# Altium PCB Copy of RaspberryHatBoard1.PcbDoc (part 1 of 3)
Units mm, origin at the board's own origin, x right, y up, seen from the top; angles counter-clockwise.
Board outline 65 x 56 mm, 2 copper layers (Top Layer, Bottom Layer); 197 components, 133 nets, 606 pads, 241 vias.
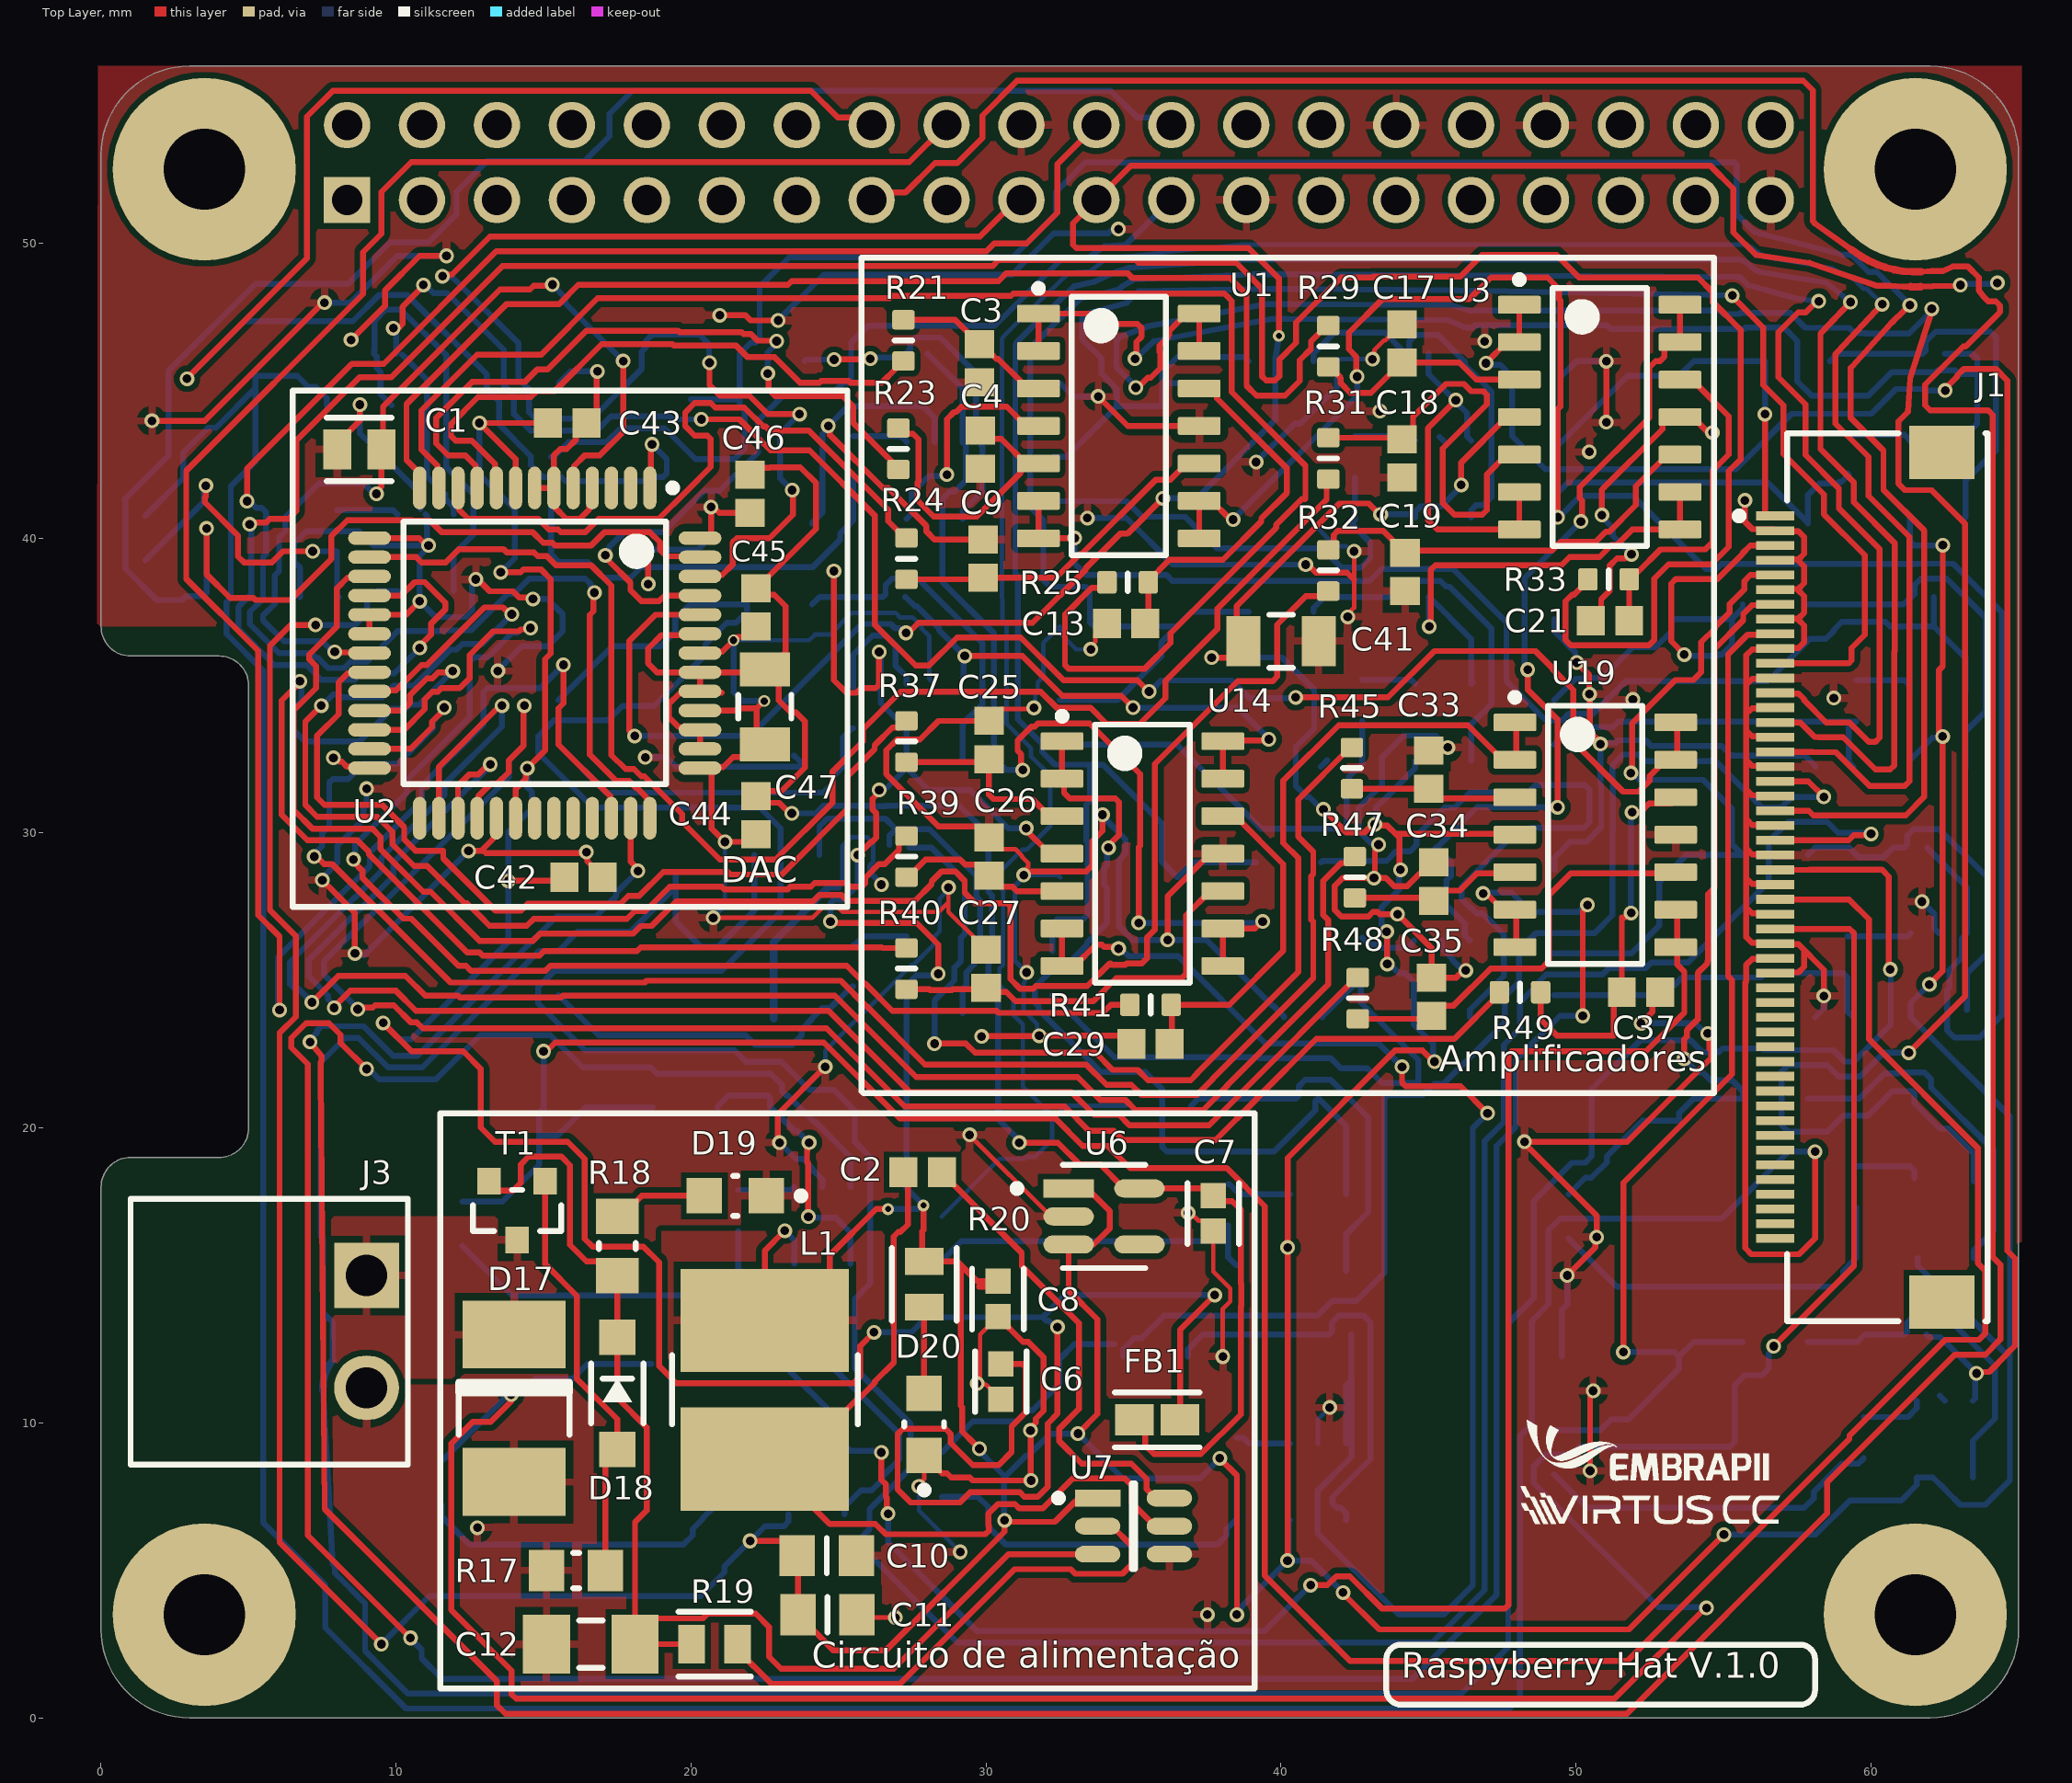
[diagram p0: Top Layer view]
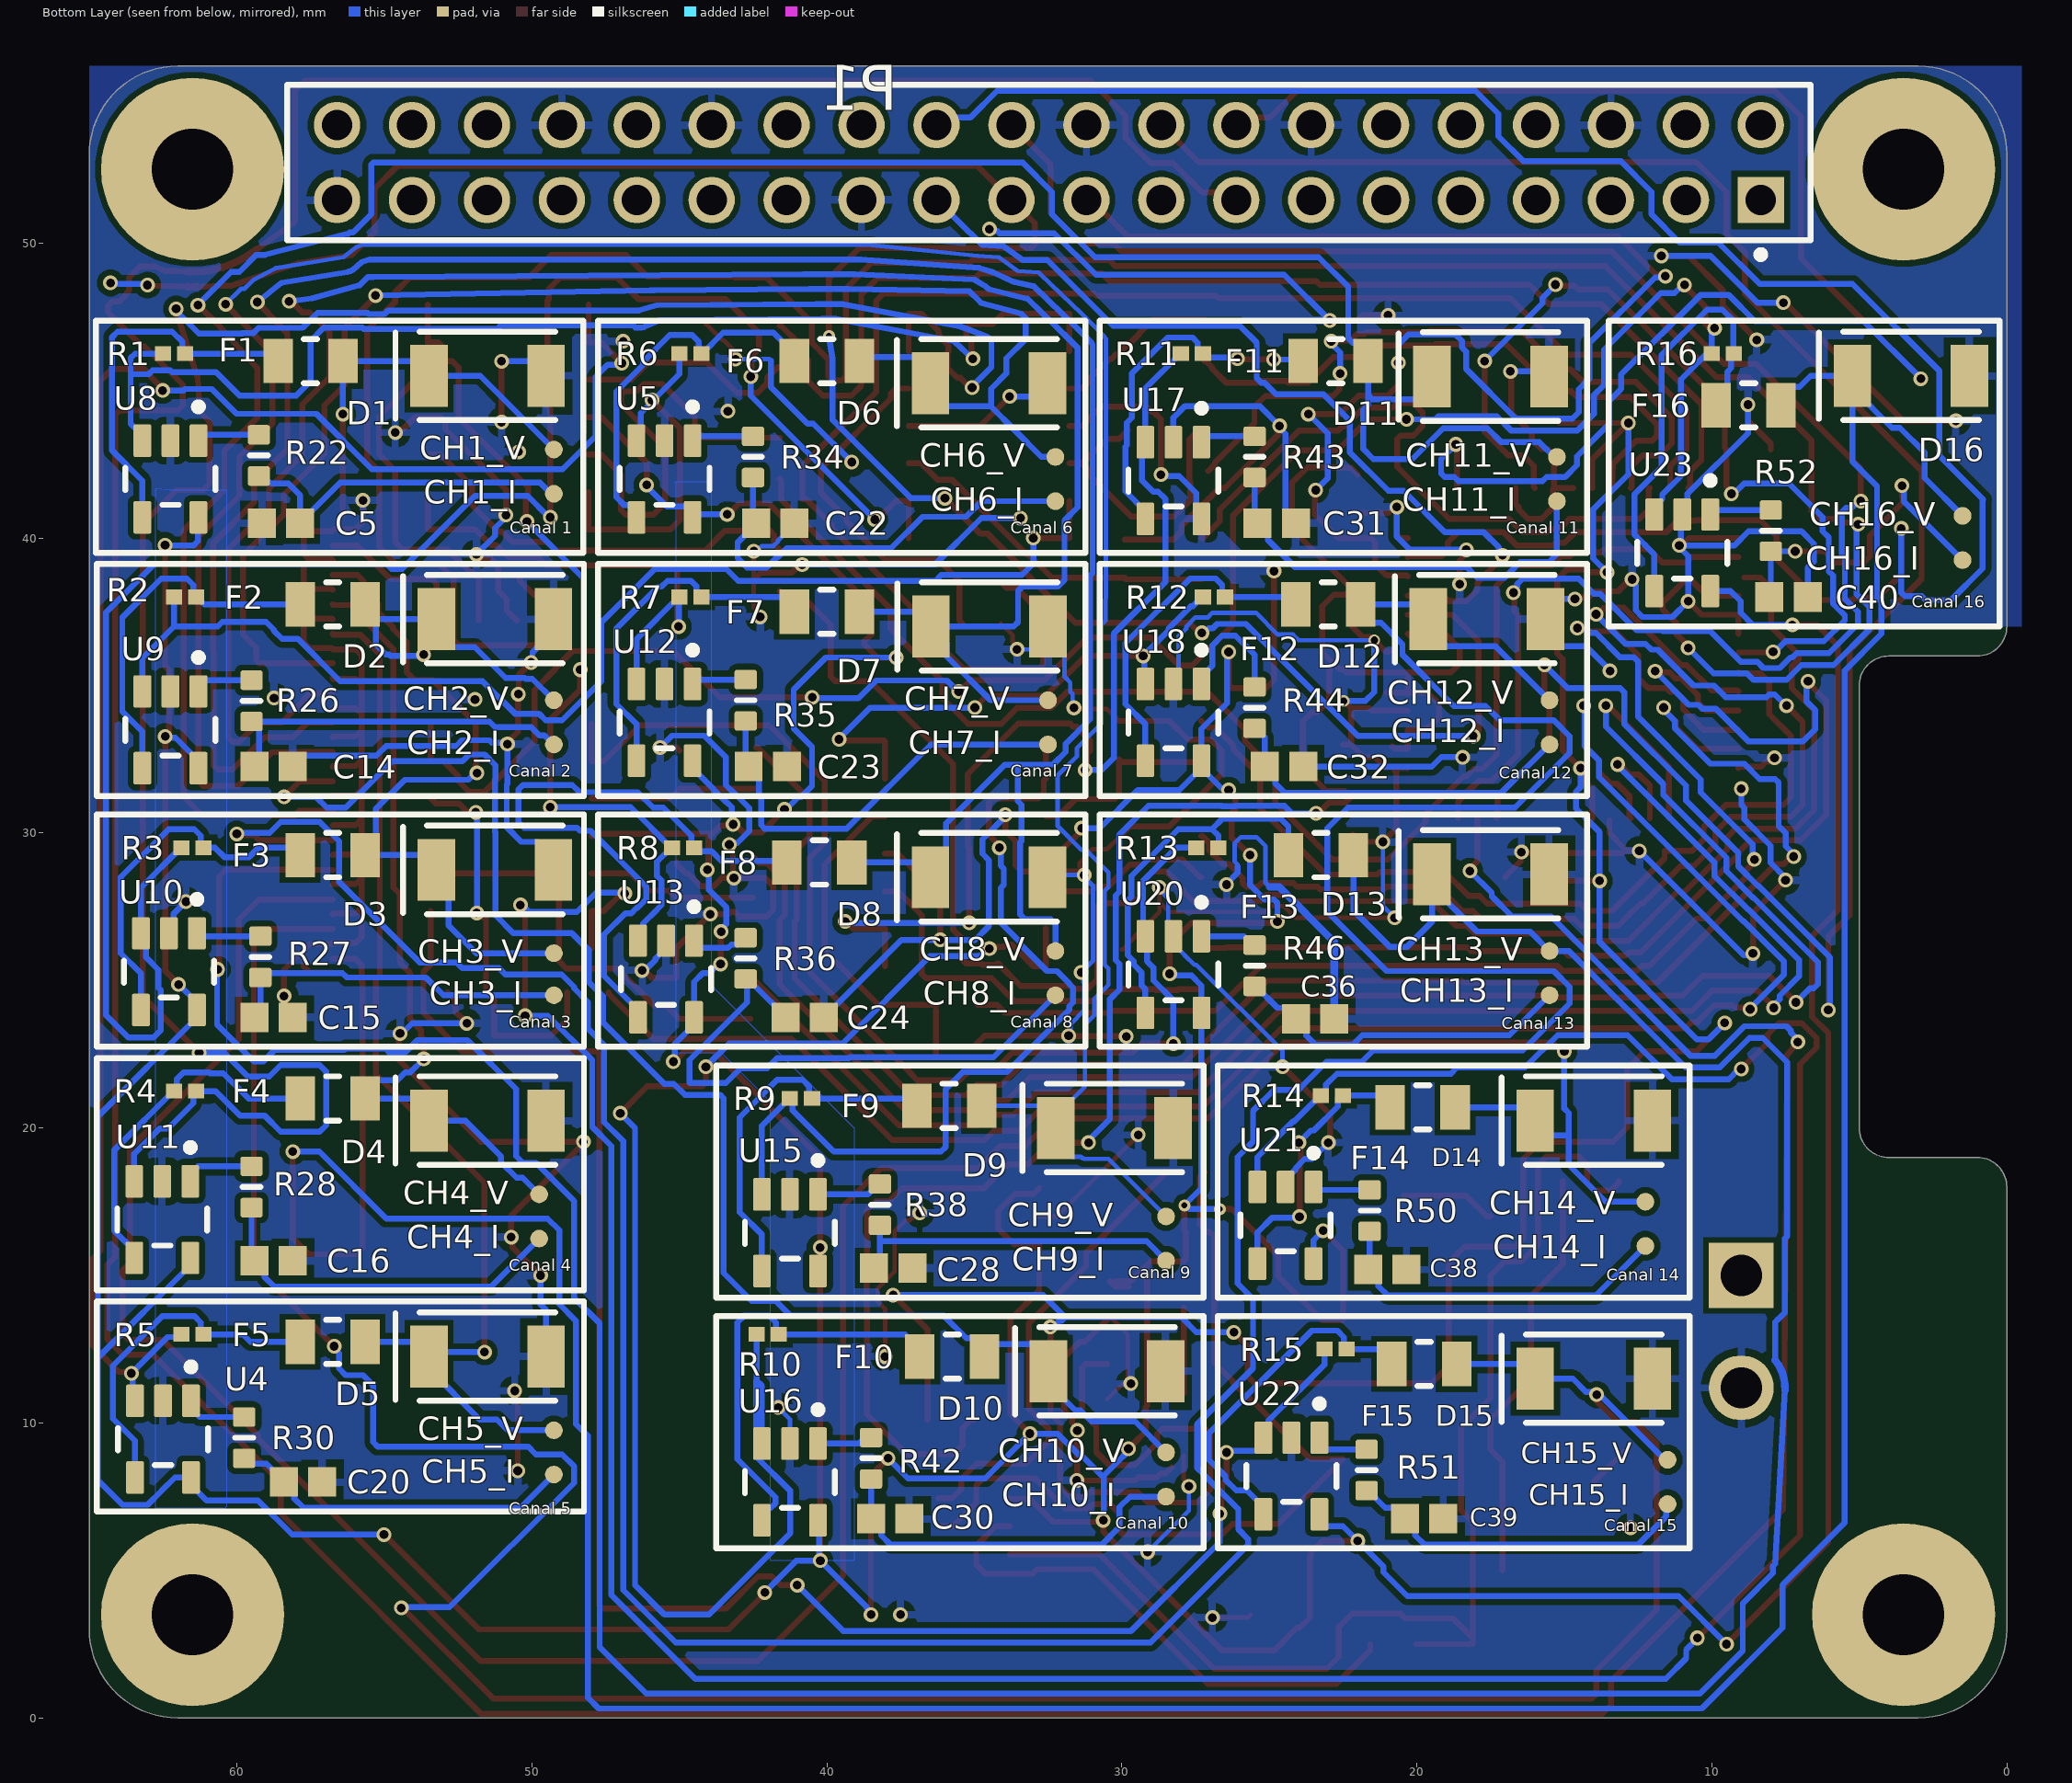
[diagram p1: Bottom Layer view, seen from below]

## Layer stack, top to bottom
Top Solder: solder mask 0.0102, Solder Resist, Dk 3.5
Top Layer: signal copper 0.0356
Dielectric 1: dielectric 0.32, FR-4, Dk 4.8
Bottom Layer: signal copper 0.0356
Bottom Solder: solder mask 0.0102, Solder Resist, Dk 3.5

## Board outline
0,3 0,18 cw(c1,18) 1,19 4,19 ccw(c4,20) 5,20 5,35 ccw(c4,35) 4,36 1,36 cw(c1,37) 0,37 0,53 cw(c3,53) 3,56 62,56 cw(c62,53) 65,53 65,3 cw(c62,3) 62,0 3,0 cw(c3,3)

## Design rules (kind name [scope] priority, off if disabled: settings)
Clearance [All] p1: gap=0.2 ignorepadtopadclearanceinfootprint=TRUE
ComponentClearance [All] p1: gap=0.2 collisioncheckmode=3 verticalgap=0.2 showdistances=FALSE
DiffPairsRouting [All] p1: maxlimit=0.5 minlimit=0.1 mostfreqgap=0.254 toplayer_minwidth=0.381 toplayer_maxwidth=0.381 toplayer_prefwidth=0.381 bottomlayer_minwidth=0.381 bottomlayer_maxwidth=0.381 bottomlayer_prefwidth=0.381 maxuncoupledlength=12.7
HoleSize [All] p1: absolutevalues=TRUE maxlimit=3 minlimit=0.025 maxpercent=80.000 minpercent=20.000
HoleToHoleClearance [All] p1: gap=0.2 allowstackedmicrovias=TRUE
PolygonConnect [All] p1: connectstyle=Relief reliefconductorwidth=0.254 reliefentries=4 polygonreliefangle="90 Angle" airgapwidth=0.254
RoutingVias [All] p1: holewidth=0.711 width=1.27 viastyle="Through Hole" minholewidth=0.711 minwidth=1.27 maxholewidth=0.711 maxwidth=1.27
SilkToSilkClearance [All] p1: silktosilkclearance=0.2
SilkToSolderMaskClearance [IsPad] p1: minsilkscreentomaskgap=0.2 clearancetoexposedcopper=TRUE
SolderMaskExpansion [All] p1: expansion=0.102 istentingtop=FALSE
SupplyNets "Schematic Supply Nets_4" [InNet('GND')] p1: voltage=0.000
SupplyNets "Schematic Supply Nets_3" [InNet('+5V_Ext')] p2: voltage=0.000
SupplyNets "Schematic Supply Nets_2" [InNet('VCC')] p3: voltage=0.000
SupplyNets "Schematic Supply Nets_1" [InNet('+3.3V_Ext')] p4: voltage=0.000
SupplyNets "Schematic Supply Nets" [InNet('+3.3V_Analog')] p5: voltage=0.000
Width [All] p1: maxlimit=0.5 minlimit=0.15 preferedwidth=0.2 minimp=50.000000 maximp=50.000000 favimp=50.000000
23 further rules are at their usual default settings.

## Classes and differential pairs
component class Main: C1 P1 U2
component class fonte: C2 C6 C7 C8 C10 C11 C12 D17 D18 D19 D20 FB1 J2 J3 L1 R17 R18 R19 R20 T1 U6 U7
component class Capacitores: C41 C42 C43 C44 C45 C46 C47
component class Amp_op4: C33 C34 C35 C36 C37 C38 C39 C40 CH13_I CH13_V CH14_I CH14_V CH15_I CH15_V CH16_I CH16_V D13 D14 D15 D16 F13 F14 F15 F16 R13 R14 R15 R16 R45 R46 R47 R48 R49 R50 R51 R52 U19 U20 U21 U22 U23
component class Amp_op3: C25 C26 C27 C28 C29 C30 C31 C32 CH9_I CH9_V CH10_I CH10_V CH11_I CH11_V CH12_I CH12_V D9 D10 D11 D12 F9 F10 F11 F12 R9 R10 R11 R12 R37 R38 R39 R40 R41 R42 R43 R44 U14 U15 U16 U17 U18
component class Amp_op2: C17 C18 C19 C20 C21 C22 C23 C24 CH5_I CH5_V CH6_I CH6_V CH7_I CH7_V CH8_I CH8_V D5 D6 D7 D8 F5 F6 F7 F8 R5 R6 R7 R8 R29 R30 R31 R32 R33 R34 R35 R36 U3 U4 U5 U12 U13
component class Amp_op1: C3 C4 C5 C9 C13 C14 C15 C16 CH1_I CH1_V CH2_I CH2_V CH3_I CH3_V CH4_I CH4_V D1 D2 D3 D4 F1 F2 F3 F4 R1 R2 R3 R4 R21 R22 R23 R24 R25 R26 R27 R28 U1 U8 U9 U10 U11

## Components (designator, comment, footprint, x,y, rotation, side; value= is the part's Value field where it differs from the comment)
C1 "C0805C104K5RACTU" FP-C0805C-DN-MFG 8.75,43 r0 top value="0.10 μF"
C2 "VJ0603Y104MXJCW1BC" CAPC1608X95X40NL15T15 27.85,18.5 r180 top
C3 "VJ0603Y104MXJCW1BC" CAPC1608X95X40NL15T15 29.775,45.925 r270 top
C4 "VJ0603Y104MXJCW1BC" CAPC1608X95X40NL15T15 29.8,43 r270 top
C5 "VJ0603Y104MXJCW1BC" CAPC1608X95X40NL15T15 58.5,40.5 r180 bottom
C6 "GRM188R61A106ME69J" FP-GRM188-0_15-IPC_C 30.5,11.4 r90 top
C7 "GRM188R61A106ME69J" FP-GRM188-0_15-IPC_C 37.7,17.1 r90 top
C8 "GRM188R61A106ME69J" FP-GRM188-0_15-IPC_C 30.4,14.2 r90 top
C9 "VJ0603Y104MXJCW1BC" CAPC1608X95X40NL15T15 29.9,39.3 r90 top
C10 "CL21A226MAYNNNE" C-0805 24.6,5.5 r0 top value=22uF
C11 "CL21A226MAYNNNE" C-0805 24.625,3.5 r0 top value=22uF
C12 "CL31A106KBHNNNE" C-1206 16.6,2.5 r180 top value=10uF
C13 "VJ0603Y104MXJCW1BC" CAPC1608X95X40NL15T15 34.75,37.1 r180 top
C14 "VJ0603Y104MXJCW1BC" CAPC1608X95X40NL15T15 58.75,32.25 r180 bottom
C15 "VJ0603Y104MXJCW1BC" CAPC1608X95X40NL15T15 58.75,23.75 r180 bottom
C16 "VJ0603Y104MXJCW1BC" CAPC1608X95X40NL15T15 58.75,15.5 r180 bottom
C17 "VJ0603Y104MXJCW1BC" CAPC1608X95X40NL15T15 44.1,46.6 r90 top
C18 "VJ0603Y104MXJCW1BC" CAPC1608X95X40NL15T15 44.1,42.7 r270 top
C19 "VJ0603Y104MXJCW1BC" CAPC1608X95X40NL15T15 44.2,38.85 r270 top
C20 "VJ0603Y104MXJCW1BC" CAPC1608X95X40NL15T15 57.75,8 r180 bottom
C21 "VJ0603Y104MXJCW1BC" CAPC1608X95X40NL15T15 51.15,37.2 r180 top
C22 "VJ0603Y104MXJCW1BC" CAPC1608X95X40NL15T15 41.75,40.5 r180 bottom
C23 "VJ0603Y104MXJCW1BC" CAPC1608X95X40NL15T15 42,32.25 r180 bottom
C24 "VJ0603Y104MXJCW1BC" CAPC1608X95X40NL15T15 40.75,23.75 r180 bottom
C25 "VJ0603Y104MXJCW1BC" CAPC1608X95X40NL15T15 30.1,33.15 r90 top
C26 "VJ0603Y104MXJCW1BC" CAPC1608X95X40NL15T15 30.1,29.2 r90 top
C27 "VJ0603Y104MXJCW1BC" CAPC1608X95X40NL15T15 30,25.4 r90 top
C28 "VJ0603Y104MXJCW1BC" CAPC1608X95X40NL15T15 37.75,15.25 r180 bottom
C29 "VJ0603Y104MXJCW1BC" CAPC1608X95X40NL15T15 35.575,22.85 r180 top
C30 "VJ0603Y104MXJCW1BC" CAPC1608X95X40NL15T15 37.85,6.75 r180 bottom
C31 "VJ0603Y104MXJCW1BC" CAPC1608X95X40NL15T15 24.75,40.5 r180 bottom
C32 "VJ0603Y104MXJCW1BC" CAPC1608X95X40NL15T15 24.5,32.25 r180 bottom
C33 "VJ0603Y104MXJCW1BC" CAPC1608X95X40NL15T15 45,32.15 r90 top
C34 "VJ0603Y104MXJCW1BC" CAPC1608X95X40NL15T15 45.175,28.35 r90 top
C35 "VJ0603Y104MXJCW1BC" CAPC1608X95X40NL15T15 45.1,24.45 r90 top
C36 "VJ0603Y104MXJCW1BC" CAPC1608X95X40NL15T15 23.45,23.7 r180 bottom
C37 "VJ0603Y104MXJCW1BC" CAPC1608X95X40NL15T15 52.2,24.6 r0 top
C38 "VJ0603Y104MXJCW1BC" CAPC1608X95X40NL15T15 21,15.2 r180 bottom
C39 "VJ0603Y104MXJCW1BC" CAPC1608X95X40NL15T15 19.75,6.75 r180 bottom
C40 "VJ0603Y104MXJCW1BC" CAPC1608X95X40NL15T15 7.4,38 r180 bottom
C41 "GRM31CR60J476ME19L" FP-GRM31C-0_2-e0_3_0_8-IPC_C 40,36.5 r0 top
C42 "VJ0603Y104MXJCW1BC" CAPC1608X95X40NL15T15 16.35,28.5 r0 top
C43 "VJ0603Y104MXJCW1BC" CAPC1608X95X40NL15T15 15.8,43.9 r180 top
C44 "VJ0603Y104MXJCW1BC" CAPC1608X95X40NL15T15 22.2,30.6 r90 top
C45 "VJ0603Y104MXJCW1BC" CAPC1608X95X40NL15T15 22.2,37.65 r90 top
C46 "VJ0603Y104MXJCW1BC" CAPC1608X95X40NL15T15 22,41.5 r90 top
C47 "GRM31CR60J476ME19L" FP-GRM31C-0_2-e0_3_0_8-IPC_C 22.5,34.276 r270 top
CH1_I "TPAD6R" TP06R 49.25,41.5 r90 bottom
CH1_V "TPAD6R" TP06R 49.25,43 r90 bottom
CH2_I "TPAD6R" TP06R 49.25,33 r90 bottom
CH2_V "TPAD6R" TP06R 49.25,34.5 r90 bottom
CH3_I "TPAD6R" TP06R 49.25,24.5 r90 bottom
CH3_V "TPAD6R" TP06R 49.25,25.925 r90 bottom
CH4_I "TPAD6R" TP06R 49.75,16.25 r90 bottom
CH4_V "TPAD6R" TP06R 49.75,17.75 r90 bottom
CH5_I "TPAD6R" TP06R 49.25,8.25 r90 bottom
CH5_V "TPAD6R" TP06R 49.25,9.75 r90 bottom
CH6_I "TPAD6R" TP06R 32.25,41.25 r90 bottom
CH6_V "TPAD6R" TP06R 32.25,42.75 r90 bottom
CH7_I "TPAD6R" TP06R 32.5,33 r90 bottom
CH7_V "TPAD6R" TP06R 32.5,34.5 r90 bottom
CH8_I "TPAD6R" TP06R 32.25,24.5 r90 bottom
CH8_V "TPAD6R" TP06R 32.25,26 r90 bottom
CH9_I "TPAD6R" TP06R 28.5,15.5 r90 bottom
CH9_V "TPAD6R" TP06R 28.5,17 r90 bottom
CH10_I "TPAD6R" TP06R 28.5,7.5 r90 bottom
CH10_V "TPAD6R" TP06R 28.5,9 r90 bottom
CH11_I "TPAD6R" TP06R 15.25,41.25 r90 bottom
CH11_V "TPAD6R" TP06R 15.25,42.75 r90 bottom
CH12_I "TPAD6R" TP06R 15.5,33 r90 bottom
CH12_V "TPAD6R" TP06R 15.5,34.5 r90 bottom
CH13_I "TPAD6R" TP06R 15.5,24.5 r90 bottom
CH13_V "TPAD6R" TP06R 15.5,26 r90 bottom
CH14_I "TPAD6R" TP06R 12.25,16 r90 bottom
CH14_V "TPAD6R" TP06R 12.25,17.5 r90 bottom
CH15_I "TPAD6R" TP06R 11.5,7.25 r90 bottom
CH15_V "TPAD6R" TP06R 11.5,8.75 r90 bottom
CH16_I "TPAD6R" TP06R 1.5,39.25 r90 bottom
CH16_V "TPAD6R" TP06R 1.5,40.75 r90 bottom
D1 "SMAJ5.0A" BOUR-SMA-2_V 51.5,45.5 r0 bottom
D2 "SMAJ5.0A" BOUR-SMA-2_V 51.25,37.25 r0 bottom
D3 "SMAJ5.0A" BOUR-SMA-2_V 51.25,28.75 r0 bottom
D4 "SMAJ5.0A" BOUR-SMA-2_V 51.5,20.25 r0 bottom
D5 "SMAJ5.0A" BOUR-SMA-2_V 51.5,12.25 r0 bottom
D6 "SMAJ5.0A" BOUR-SMA-2_V 34.5,45.25 r0 bottom
D7 "SMAJ5.0A" BOUR-SMA-2_V 34.485,37 r0 bottom
D8 "SMAJ5.0A" BOUR-SMA-2_V 34.5,28.5 r0 bottom
D9 "SMAJ5.0A" BOUR-SMA-2_V 30.25,20 r0 bottom
D10 "SMAJ5.0A" BOUR-SMA-2_V 30.5,11.75 r0 bottom
D11 "SMAJ5.0A" BOUR-SMA-2_V 17.5,45.475 r0 bottom
D12 "SMAJ5.0A" BOUR-SMA-2_V 17.625,37.25 r0 bottom
D13 "SMAJ5.0A" BOUR-SMA-2_V 17.5,28.6 r0 bottom
D14 "SMAJ5.0A" BOUR-SMA-2_V 14,20.25 r0 bottom
D15 "SMAJ5.0A" BOUR-SMA-2_V 14,11.5 r0 bottom
D16 "SMAJ5.0A" BOUR-SMA-2_V 3.25,45.5 r0 bottom
D17 "SMBJ28CAQ-13-F" DO-214AA 14,10.5 r270 top
D18 "MMSZ5245B-TP" SOD-123 17.5,11 r270 top
D19 "LTST-C170GKT" FP-LTST-C170GKT-MFG 21.5,17.7 r180 top
D20 "LTST-C170GKT" FP-LTST-C170GKT-MFG 27.9,9.95 r90 top
F1 "MF-PSMF010X-2" FP-MF-PSMF-MFG 57.5,46 r180 bottom value=1-7.5Ω
F2 "MF-PSMF010X-2" FP-MF-PSMF-MFG 56.75,37.75 r180 bottom value=1-7.5Ω
F3 "MF-PSMF010X-2" FP-MF-PSMF-MFG 56.75,29.25 r180 bottom value=1-7.5Ω
F4 "MF-PSMF010X-2" FP-MF-PSMF-MFG 56.75,21 r180 bottom value=1-7.5Ω
F5 "MF-PSMF010X-2" FP-MF-PSMF-MFG 56.75,12.75 r180 bottom value=1-7.5Ω
F6 "MF-PSMF010X-2" FP-MF-PSMF-MFG 40,46 r180 bottom value=1-7.5Ω
F7 "MF-PSMF010X-2" FP-MF-PSMF-MFG 40,37.5 r180 bottom value=1-7.5Ω
F8 "MF-PSMF010X-2" FP-MF-PSMF-MFG 40.25,29 r180 bottom value=1-7.5Ω
F9 "MF-PSMF010X-2" FP-MF-PSMF-MFG 35.85,20.75 r180 bottom value=1-7.5Ω
F10 "MF-PSMF010X-2" FP-MF-PSMF-MFG 35.75,12.25 r180 bottom value=1-7.5Ω
F11 "MF-PSMF010X-2" FP-MF-PSMF-MFG 22.75,46 r180 bottom value=1-7.5Ω
F12 "MF-PSMF010X-2" FP-MF-PSMF-MFG 23,37.75 r180 bottom value=1-7.5Ω
F13 "MF-PSMF010X-2" FP-MF-PSMF-MFG 23.25,29.25 r180 bottom value=1-7.5Ω
F14 "MF-PSMF010X-2" FP-MF-PSMF-MFG 19.8,20.7 r180 bottom value=1-7.5Ω
F15 "MF-PSMF010X-2" FP-MF-PSMF-MFG 19.75,12 r180 bottom value=1-7.5Ω
F16 "MF-PSMF010X-2" FP-MF-PSMF-MFG 8.75,44.5 r180 bottom value=1-7.5Ω
FB1 "BLM18KG601SN1D" FP-BLM18-0_15-t0_8-IPC_A 35.8,10.1 r0 top
J1 "FH28-50S-0.5SH(05)" FP-FH28-50S-0_5SH_05-MFG 60.55,28.5 r270 top
J2 "5447861" 5447861 -20,17 r270 top
J3 "5444262" 5444262 9,15 r270 top
L1 "1255AY-4R7M=P3" FP-DG6045C-MFG 22.5,11 r90 top value=4.7uH
P1 "Header" FP-PPPC202LFBN-RC-MFG 32.47,52.73 r0 bottom
R1 "SG73S1ETTP1R0J" RESC1005X40X25LL10T10 62.125,46.25 r180 bottom
R2 "SG73S1ETTP1R0J" RESC1005X40X25LL10T10 61.75,38 r180 bottom
R3 "SG73S1ETTP1R0J" RESC1005X40X25LL10T10 61.5,29.5 r180 bottom
R4 "SG73S1ETTP1R0J" RESC1005X40X25LL10T10 61.75,21.25 r0 bottom
R5 "SG73S1ETTP1R0J" RESC1005X40X25LL10T10 61.5,13 r180 bottom
R6 "SG73S1ETTP1R0J" RESC1005X40X25LL10T10 44.625,46.25 r180 bottom
R7 "SG73S1ETTP1R0J" RESC1005X40X25LL10T10 44.625,38 r180 bottom
R8 "SG73S1ETTP1R0J" RESC1005X40X25LL10T10 44.875,29.5 r180 bottom
R9 "SG73S1ETTP1R0J" RESC1005X40X25LL10T10 40.875,21 r180 bottom
R10 "SG73S1ETTP1R0J" RESC1005X40X25LL10T10 42,13 r180 bottom
R11 "SG73S1ETTP1R0J" RESC1005X40X25LL10T10 27.625,46.25 r180 bottom
R12 "SG73S1ETTP1R0J" RESC1005X40X25LL10T10 26.875,38 r180 bottom
R13 "SG73S1ETTP1R0J" RESC1005X40X25LL10T10 27.1,29.5 r180 bottom
R14 "SG73S1ETTP1R0J" RESC1005X40X25LL10T10 22.875,21.1 r180 bottom
R15 "SG73S1ETTP1R0J" RESC1005X40X25LL10T10 22.75,12.5 r180 bottom
R16 "SG73S1ETTP1R0J" RESC1005X40X25LL10T10 9.625,46.25 r180 bottom
R17 "RC0805FR-071ML" R-0805 16.1,5 r0 top value=1MR